# Altium PCB Waffling60-MX.PcbDoc (part 2 of 3)
Units mm, origin at the board's own origin, x right, y up, seen from the top; angles counter-clockwise.
Board outline 324.66 x 94.3 mm, 2 copper layers (Component Side, Bottom Layer), stack 1.571 mm thick; 187 components, 122 nets, 934 pads, 124 vias.
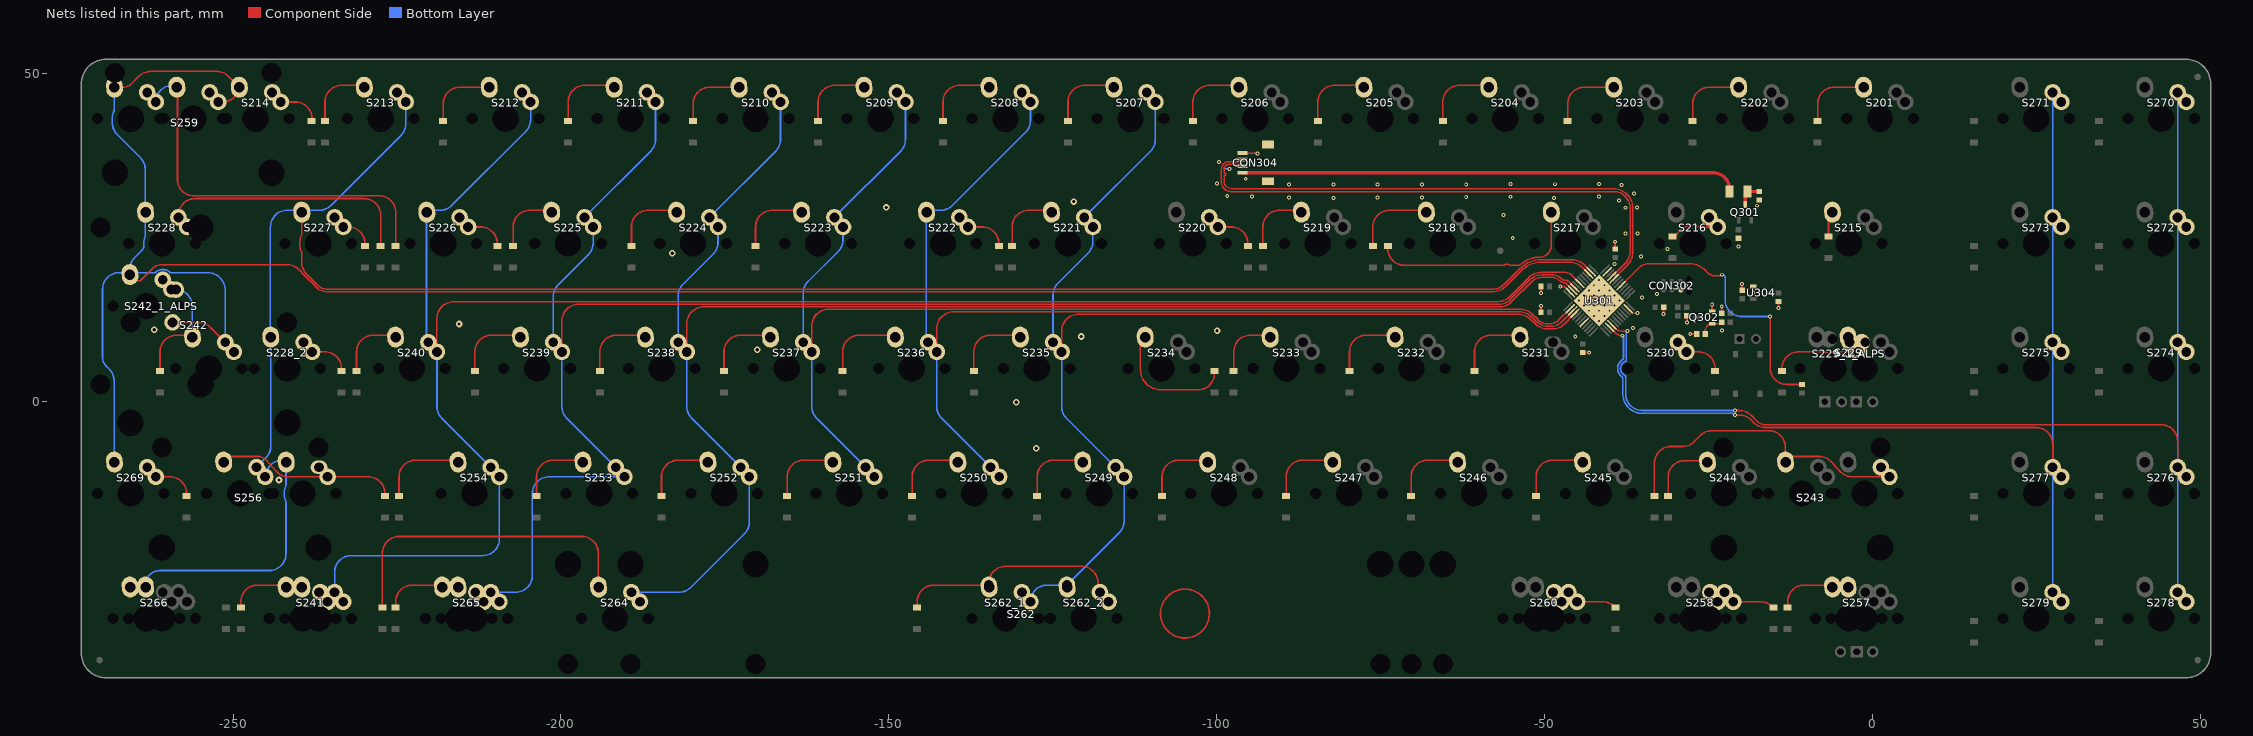
[diagram p2: the nets of this part, all layers, seen from the top]

## Via types
v1: diameter 0.6, hole 0.3, Component Side to Bottom Layer, tented both sides, 85 vias
v2: diameter 0.6, hole 0.3, Component Side to Bottom Layer, tented bottom, 25 vias
v3: diameter 1, hole 0.5, Component Side to Bottom Layer, tented both sides, 14 vias

## Nets (pads, with @x,y where several pads share a name; then routed paths per layer and width w, separated by ;. In a path a pad name is that pad's centre, name@x,y a point inside that pad or via, vN(x,y) a via of type N, cw(c..) or ccw(c..) an arc to the next point about the centre after c; other vN are vias at no path point) (continued)
col7: S207.2 S221.2 S235.2 S249.2 S262.1 S262_1.1 S262_2.2 U301.4 | length 188
  Component Side w0.203: S235.2@-123.666,7.62 -123.666,10.791 cw(c-121.126,10.791) -123.12,12.365 cw(c-121.126,10.791) -121.126,13.331 -54.002,13.331 ; U301.4@-45.58,13.34 -47.065,11.856 ; -54.002,13.331 cw(c-54.002,10.791) -52.206,12.587 ; -54.002,13.331 cw(c-54.002,10.791) -52.206,12.587 ; -52.206,12.587 -51.982,12.363 ; -51.982,12.363 ccw(c-51.837,12.506) -51.981,12.362 ; -51.982,12.363 ccw(c-51.837,12.506) -51.981,12.362 ; -51.981,12.362 -51.648,12.029 ccw(c-49.435,14.24) -51.644,12.025 ccw(c-49.435,14.24) -49.435,11.112 -48.861,11.112 ; -48.861,11.112 ccw(c-48.861,13.652) -47.065,11.856 ; -48.861,11.112 ccw(c-48.861,13.652) -47.065,11.856
  Component Side w0.254: S262.1@-123.182,-27.94 S262.1@-123.182,-27.63
  Bottom Layer w0.254: S262.1@-128.428,-30.48 cw(c-125.888,-30.48) -125.888,-27.94 -123.182,-27.94 S262.1@-123.182,-27.884 ; S235.2@-124.976,9.08 -124.976,16.293 ; S235.2@-123.666,7.62 -123.666,-0.703 ; S262.1@-122.872,-27.94 -114.885,-19.953 ; S221.2@-120.214,28.13 -110.123,38.221 ; S221.2@-118.904,26.67 -118.904,24.47 ; S249.2@-115.451,-9.97 -122.922,-2.499 ; S249.2@-114.141,-11.43 -114.141,-18.157 ; S207.2@-109.379,45.72 -109.379,40.017 ; -124.976,16.293 cw(c-122.436,16.293) -124.232,18.089 ; -124.976,16.293 cw(c-122.436,16.293) -124.232,18.089 ; -124.232,18.089 -119.648,22.674 ; -123.666,-0.703 ccw(c-121.126,-0.703) -122.922,-2.499 ; -123.666,-0.703 ccw(c-121.126,-0.703) -122.922,-2.499 ; -119.648,22.674 ccw(c-121.444,24.47) -118.904,24.47 ; -119.648,22.674 ccw(c-121.444,24.47) -118.904,24.47 ; -114.885,-19.953 ccw(c-116.681,-18.157) -114.141,-18.157 ; -114.885,-19.953 ccw(c-116.681,-18.157) -114.141,-18.157 ; -110.123,38.221 ccw(c-111.919,40.017) -109.379,40.017 ; -110.123,38.221 ccw(c-111.919,40.017) -109.379,40.017
col8: S208.2 S222.2 S236.2 S250.2 U301.3 | length 179
  Component Side w0.203: S236.2@-142.716,7.62 -142.716,11.175 cw(c-140.176,11.175) -141.859,13.077 ; U301.3@-45.934,13.694 -47.389,12.239 cw(c-49.185,14.035) -49.185,11.495 -49.435,11.495 cw(c-49.435,14.24) -51.374,12.297 ; -141.859,13.077 cw(c-140.176,11.175) -140.176,13.715 ; -141.859,13.077 cw(c-140.176,11.175) -140.176,13.715 ; -140.176,13.715 -53.844,13.715 ; -53.844,13.715 cw(c-53.844,11.175) -52.048,12.971 ; -53.844,13.715 cw(c-53.844,11.175) -52.048,12.971 ; -52.048,12.971 -51.71,12.633 -51.378,12.301 ; -51.378,12.301 ccw(c-49.435,14.24) -51.374,12.297 ; -51.378,12.301 ccw(c-49.435,14.24) -51.374,12.297
  Bottom Layer w0.254: S236.2@-144.026,9.08 cw(c-143.356,9.75) -144.304,9.75 -144.304,29.21 -142.104,29.21 ; S236.2@-142.716,7.62 -142.716,-0.703 ; S250.2@-134.501,-9.97 -141.972,-2.499 ; S208.2@-128.429,45.72 -128.429,42.885 ; -142.716,-0.703 ccw(c-140.176,-0.703) -141.972,-2.499 ; -142.716,-0.703 ccw(c-140.176,-0.703) -141.972,-2.499 ; -142.104,29.21 ccw(c-142.104,31.75) -140.308,29.954 ; -142.104,29.21 ccw(c-142.104,31.75) -140.308,29.954 ; -140.308,29.954 -129.173,41.089 ; -129.173,41.089 ccw(c-130.969,42.885) -128.429,42.885 ; -129.173,41.089 ccw(c-130.969,42.885) -128.429,42.885
col9: S209.2 S223.2 S237.2 S251.2 U301.2 | length 204.4
  Component Side w0.203: S237.2@-161.766,7.62 -161.766,11.487 ; -51.105,12.57 -51.889,13.354 ccw(c-53.685,11.558) -53.685,14.098 -159.226,14.098 ; -51.104,12.569 ccw(c-49.435,14.24) -49.435,11.878 ccw(c-49.435,14.24) -47.766,12.569 ; -47.765,12.57 U301.2@-46.287,14.047 ; -161.766,11.487 cw(c-159.1,11.487) -160.517,13.745 ; -161.766,11.487 cw(c-159.1,11.487) -161.766,11.496 cw(c-159.1,11.487) -160.517,13.745 ; -161.766,11.487 -161.766,11.558 ; -161.766,11.558 cw(c-159.226,11.558) -160.517,13.745 ; -161.766,11.558 cw(c-159.226,11.558) -160.517,13.745 ; -160.517,13.745 cw(c-159.226,11.558) -159.226,14.098 ; -160.517,13.745 cw(c-159.1,11.487) -159.64,14.098 ccw(c-159.1,11.487) -160.517,13.745 ; -160.517,13.745 cw(c-159.226,11.558) -159.226,14.098
  Bottom Layer w0.254: S237.2@-163.076,9.08 -163.076,16.547 ; S237.2@-161.766,7.62 -161.766,-0.703 ; S223.2@-158.314,28.13 -148.223,38.221 ; S223.2@-157.004,26.67 -157.004,24.724 ; S251.2@-153.551,-9.97 -161.022,-2.499 ; S209.2@-147.479,45.72 -147.479,40.017 ; -163.076,16.547 cw(c-160.536,16.547) -162.332,18.343 ; -163.076,16.547 cw(c-160.536,16.547) -162.332,18.343 ; -162.332,18.343 -157.748,22.928 ; -161.766,-0.703 ccw(c-159.226,-0.703) -161.022,-2.499 ; -161.766,-0.703 ccw(c-159.226,-0.703) -161.022,-2.499 ; -157.748,22.928 ccw(c-159.544,24.724) -157.004,24.724 ; -157.748,22.928 ccw(c-159.544,24.724) -157.004,24.724 ; -148.223,38.221 ccw(c-150.019,40.017) -147.479,40.017 ; -148.223,38.221 ccw(c-150.019,40.017) -147.479,40.017
col10: S210.2 S224.2 S238.2 S252.2 S264.2 U301.46 | length 250.5
  Component Side w0.203: S238.2@-180.816,7.62 -180.816,11.941 cw(c-178.276,11.941) -178.276,14.481 -56.9,14.481 ; -51.927,18.402 -55.104,15.225 ; U301.46@-45.934,17.194 -46.734,17.995 ; -56.9,14.481 ccw(c-56.9,17.021) -55.104,15.225 ; -56.9,14.481 ccw(c-56.9,17.021) -55.104,15.225 ; -50.572,18.964 ccw(c-50.572,17.047) -51.926,18.403 cw(c-50.572,17.047) -50.572,18.964 ; -50.572,18.964 -48.789,18.964 ; -48.789,18.964 cw(c-48.789,17.632) -47.848,18.574 ; -48.789,18.964 cw(c-48.789,17.632) -47.848,18.574 ; -47.848,18.574 cw(c-48.789,17.632) -47.844,18.57 ccw(c-46.908,19.512) -47.591,18.373 cw(c-47.696,18.199) -47.578,18.364 ccw(c-47.016,19.148) -47.256,18.214 ; -47.256,18.214 cw(c-47.307,18.017) -47.191,18.184 ; -47.256,18.214 cw(c-47.307,18.017) -47.191,18.184 ; -47.191,18.184 cw(c-47.191,17.538) -46.735,17.995 ; -47.191,18.184 cw(c-47.191,17.538) -46.735,17.995
  Bottom Layer w0.254: S264.2@-189.27,-29.02 -181.982,-29.02 ccw(c-181.982,-26.48) -180.186,-28.276 -172.035,-20.125 ; S238.2@-182.126,9.08 -182.126,16.166 ; S238.2@-180.816,7.62 -180.816,-0.702 ; S224.2@-177.364,28.13 -167.273,38.221 ; S224.2@-176.054,26.67 -176.054,24.343 ; S252.2@-172.601,-9.97 -180.072,-2.498 ; S252.2@-171.291,-11.43 -171.291,-18.329 ; S210.2@-166.529,45.72 -166.529,40.017 ; -182.126,16.166 cw(c-179.586,16.166) -181.382,17.962 ; -182.126,16.166 cw(c-179.586,16.166) -181.382,17.962 ; -181.382,17.962 -176.798,22.547 ; -180.816,-0.702 ccw(c-178.276,-0.702) -180.072,-2.498 ; -180.816,-0.702 ccw(c-178.276,-0.702) -180.072,-2.498 ; -176.798,22.547 ccw(c-178.594,24.343) -176.054,24.343 ; -176.798,22.547 ccw(c-178.594,24.343) -176.054,24.343 ; -172.035,-20.125 ccw(c-173.831,-18.329) -171.291,-18.329 ; -172.035,-20.125 ccw(c-173.831,-18.329) -171.291,-18.329 ; -167.273,38.221 ccw(c-169.069,40.017) -166.529,40.017 ; -167.273,38.221 ccw(c-169.069,40.017) -166.529,40.017
col11: S211.2 S225.2 S239.2 S253.2 S265.1 U301.45 | length 277.7
  Component Side w0.203: S239.2@-199.866,7.62 -199.866,12.324 cw(c-197.326,12.324) -199.566,13.523 ; U301.45@-45.58,17.548 -46.381,18.349 ; -199.566,13.523 cw(c-197.326,12.324) -197.326,14.864 ; -199.566,13.523 cw(c-197.326,12.324) -197.326,14.864 ; -197.326,14.864 -177.064,14.864 -59.081,14.864 -57.059,14.864 ; -57.059,14.864 ccw(c-57.059,17.404) -55.263,15.608 ; -57.059,14.864 ccw(c-57.059,17.404) -55.263,15.608 ; -55.263,15.608 -52.199,18.672 cw(c-50.572,17.047) -52.196,18.675 ; -52.196,18.675 cw(c-50.572,17.047) -50.572,19.347 ; -52.196,18.675 cw(c-50.572,17.047) -50.572,19.347 ; -50.572,19.347 -48.789,19.347 ; -48.789,19.347 cw(c-48.789,17.632) -47.578,18.846 ; -48.789,19.347 cw(c-48.789,17.632) -47.578,18.846 ; -47.578,18.846 cw(c-48.789,17.632) -47.576,18.844 ccw(c-46.908,19.512) -47.382,18.695 cw(c-47.485,18.519) -47.364,18.682 ccw(c-47.016,19.148) -47.016,18.567 ccw(c-47.016,19.148) -46.979,18.568 cw(c-46.967,18.365) -46.957,18.568 ; -46.957,18.568 ccw(c-46.908,19.512) -46.908,18.567 ; -46.957,18.568 ccw(c-46.908,19.512) -46.908,18.567 ; -46.908,18.567 cw(c-46.908,17.823) -46.382,18.349 ; -46.908,18.567 cw(c-46.908,17.823) -46.382,18.349
  Bottom Layer w0.254: S265.1@-210.701,-29.02 -206.909,-29.02 ccw(c-206.909,-26.48) -204.369,-26.48 -204.369,-13.97 cw(c-201.829,-13.97) -201.829,-11.43 S253.2@-190.341,-11.43 ; S239.2@-201.176,9.08 -201.176,16.039 ; S239.2@-199.866,7.62 -199.866,-0.703 ; S225.2@-196.414,28.13 -186.323,38.221 ; S225.2@-195.104,26.67 -195.104,24.216 ; S253.2@-191.651,-9.97 -199.122,-2.499 ; S211.2@-185.579,45.72 -185.579,40.017 ; -201.176,16.039 cw(c-198.636,16.039) -200.432,17.835 ; -201.176,16.039 cw(c-198.636,16.039) -200.432,17.835 ; -200.432,17.835 -195.848,22.42 ; -199.866,-0.703 ccw(c-197.326,-0.703) -199.122,-2.499 ; -199.866,-0.703 ccw(c-197.326,-0.703) -199.122,-2.499 ; -195.848,22.42 ccw(c-197.644,24.216) -195.104,24.216 ; -195.848,22.42 ccw(c-197.644,24.216) -195.104,24.216 ; -186.323,38.221 ccw(c-188.119,40.017) -185.579,40.017 ; -186.323,38.221 ccw(c-188.119,40.017) -185.579,40.017
col12: S212.2 S226.2 S240.2 S241.1 S254.2 U301.43 | length 301.1
  Component Side w0.203: S240.2@-218.916,7.62 -218.916,12.707 cw(c-216.376,12.707) -218.242,14.431 ; U301.43@-44.873,18.255 -45.989,19.371 ccw(c-46.857,18.503) -46.857,19.73 -50.572,19.73 ccw(c-50.572,17.047) -52.466,18.947 ; -218.242,14.431 cw(c-216.376,12.707) -216.376,15.247 ; -218.242,14.431 cw(c-216.376,12.707) -216.376,15.247 ; -216.376,15.247 -177.826,15.247 -59.335,15.247 -57.377,15.247 ccw(c-57.377,18.171) -55.311,16.102 ccw(c-57.377,18.171) -55.308,16.105 -52.472,18.942 ; -52.472,18.942 cw(c-50.572,17.047) -52.466,18.947 ; -52.472,18.942 cw(c-50.572,17.047) -52.466,18.947
  Bottom Layer w0.203: -230.663,-23.439 -211.931,-23.439 ccw(c-211.931,-20.899) -209.391,-20.899 S254.2@-209.391,-11.43
  Bottom Layer w0.254: S241.1@-234.513,-29.02 -234.513,-25.979 ; -230.663,-23.439 -231.973,-23.439 ; S240.2@-220.226,9.08 cw(c-219.556,9.75) -220.504,9.75 -220.504,29.21 -218.431,29.21 ; S240.2@-218.916,7.62 -218.916,-0.703 ; S254.2@-210.701,-9.97 -218.172,-2.499 ; S212.2@-204.629,45.72 -204.629,43.012 ; -234.513,-25.979 cw(c-231.973,-25.979) -231.973,-23.439 ; -234.513,-25.979 cw(c-231.973,-25.979) -231.973,-23.439 ; -218.916,-0.703 ccw(c-216.376,-0.703) -218.172,-2.499 ; -218.916,-0.703 ccw(c-216.376,-0.703) -218.172,-2.499 ; -218.431,29.21 ccw(c-218.431,31.75) -216.635,29.954 ; -218.431,29.21 ccw(c-218.431,31.75) -216.635,29.954 ; -216.635,29.954 -205.373,41.216 ; -205.373,41.216 ccw(c-207.169,43.012) -204.629,43.012 ; -205.373,41.216 ccw(c-207.169,43.012) -204.629,43.012
col13: S213.2 S227.2 S228_2.2 S256.2 S266.2 U301.38 | length 340.6
  Component Side w0.203: S227.2@-239.554,29.21 -239.554,25.439 ; -238.209,18.919 -237.765,18.475 ; U301.38@-43.105,20.022 -43.985,20.902 ; -239.573,25.353 ccw(c-239.757,25.44) -239.554,25.439 ; -239.573,25.353 ccw(c-239.757,25.44) -239.554,25.439 ; -239.573,25.353 ccw(c-237.014,24.13) -239.788,24.721 ccw(c-237.014,24.13) -239.788,23.539 ccw(c-237.014,24.13) -239.568,22.895 cw(c-239.751,22.808) -239.548,22.809 -239.548,21.31 ; -239.548,21.31 ccw(c-237.008,21.31) -238.804,19.514 ; -239.548,21.31 ccw(c-237.008,21.31) -238.804,19.514 ; -238.804,19.514 -238.434,19.144 -238.211,18.921 -237.765,18.475 ; -237.765,18.475 cw(c-238.036,18.204) -237.764,18.474 ; -237.765,18.475 cw(c-238.036,18.204) -237.764,18.474 ; -237.764,18.474 -237.173,17.883 -236.976,17.686 ; -236.976,17.686 ccw(c-235.719,18.937) -235.719,17.163 ; -236.976,17.686 ccw(c-235.719,18.937) -235.719,17.163 ; -235.719,17.163 -58.011,17.163 ; -58.011,17.163 ccw(c-58.011,19.703) -56.215,17.907 ; -58.011,17.163 ccw(c-58.011,19.703) -56.215,17.907 ; -56.215,17.907 -53.83,20.292 cw(c-50.572,17.047) -53.817,20.306 cw(c-50.572,17.047) -52.61,21.17 ccw(c-52.701,21.351) -52.603,21.174 ; -52.603,21.174 cw(c-50.796,17.956) -50.796,21.646 ; -52.603,21.174 cw(c-50.796,17.956) -50.796,21.646 ; -50.796,21.646 -45.781,21.646 ; -45.781,21.646 cw(c-45.781,19.106) -43.985,20.902 ; -45.781,21.646 cw(c-45.781,19.106) -43.985,20.902
  Component Side w0.254: S227.2@-239.554,29.21 cw(c-239.554,28.823) -239.167,28.823 ccw(c-239.554,28.823) S227.2@-239.554,29.21
  Bottom Layer w0.203: S256.2@-245.109,-11.43 -245.109,-9.97 ; S228_2.2@-244.291,9.87 -244.291,26.67 cw(c-241.751,26.67) -241.751,29.21 S227.2@-239.554,29.21
  Bottom Layer w0.254: S256.2@-246.419,-9.97 -244.995,-8.546 ccw(c-246.791,-6.75) -244.251,-6.75 S228_2.2@-244.251,9.87 ; S256.2@-245.009,-11.43 cw(c-242.469,-11.43) -242.469,-8.89 -241.934,-8.89 -241.934,-12.673 cw(c-242.188,-12.674) -241.957,-12.781 ccw(c-239.394,-13.97) -241.957,-15.159 cw(c-242.188,-15.266) -241.934,-15.267 -241.934,-23.185 cw(c-244.474,-23.185) -244.474,-25.725 -261.151,-25.725 ; S227.2@-239.554,29.21 -236.846,29.21 ; S213.2@-223.679,45.72 -223.679,42.377 ; -261.151,-25.725 ccw(c-261.151,-27.94) -263.366,-27.94 cw(c-261.151,-27.94) -261.151,-25.725 ; -236.846,29.21 ccw(c-236.846,31.75) -235.05,29.954 ; -236.846,29.21 ccw(c-236.846,31.75) -235.05,29.954 ; -235.05,29.954 -224.423,40.581 ; -224.423,40.581 ccw(c-226.219,42.377) -223.679,42.377 ; -224.423,40.581 ccw(c-226.219,42.377) -223.679,42.377
col14: S214.2 S228.2 S242.2 S242_1_ALPS.1 S259.2 S269.2 U301.39 | length 372.8
  Component Side w0.203: S242.2@-265.719,19.4 S242.2@-265.127,18.808 ; U301.39@-43.459,19.669 -44.309,20.519 ; S242.2@-265.127,18.808 ccw(c-264.313,19.623) -264.313,18.471 ; S242.2@-265.127,18.808 ccw(c-264.313,19.623) -264.313,18.471 ; -264.313,18.471 ccw(c-264.313,18.938) -263.982,18.608 ; -264.313,18.471 ccw(c-264.313,18.938) -263.982,18.608 ; -263.982,18.608 -262.521,20.069 ; -262.521,20.069 ccw(c-262.666,20.212) -262.51,20.082 ; -262.521,20.069 ccw(c-262.666,20.212) -262.51,20.082 ; -262.51,20.082 cw(c-260.719,18.61) -260.654,20.927 ccw(c-260.65,21.13) -260.645,20.927 ; -260.645,20.927 cw(c-260.59,19.233) -260.59,20.928 ; -260.645,20.927 cw(c-260.59,19.233) -260.59,20.928 ; -260.59,20.928 -241.812,20.928 ; -241.812,20.928 cw(c-241.812,18.388) -240.016,20.184 ; -241.812,20.928 cw(c-241.812,18.388) -240.016,20.184 ; -240.016,20.184 -239.004,19.172 -238.483,18.651 cw(c-238.752,18.378) -238.481,18.649 -238.036,18.204 ccw(c-237.891,18.347) -238.035,18.203 -237.246,17.414 ; -237.246,17.414 ccw(c-235.719,18.937) -235.719,16.78 ; -237.246,17.414 ccw(c-235.719,18.937) -235.719,16.78 ; -235.719,16.78 -58.011,16.78 ; -58.011,16.78 ccw(c-58.011,19.703) -55.946,17.635 ; -58.011,16.78 ccw(c-58.011,19.703) -55.946,17.635 ; -55.946,17.635 ccw(c-58.011,19.703) -55.943,17.638 -53.559,20.022 cw(c-50.572,17.047) -53.547,20.034 cw(c-50.572,17.047) -52.431,20.83 ccw(c-52.522,21.012) -52.423,20.835 cw(c-50.796,17.956) -50.796,21.263 -46.105,21.263 ; -46.105,21.263 cw(c-46.105,18.723) -44.309,20.519 ; -46.105,21.263 cw(c-46.105,18.723) -44.309,20.519
  Component Side w0.254: S259.2@-268.089,47.97 -266.712,47.97 ccw(c-266.712,49.634) -265.535,48.457 -264.353,49.64 cw(c-262.557,47.844) -262.557,50.384 -252.505,50.384 cw(c-252.505,47.844) -250.709,49.64 S214.2@-249.09,48.021 ; S242_1_ALPS.1@-259.219,12.11 -255.271,12.11 cw(c-255.271,9.57) -253.475,11.366 S242.2@-251.189,9.08 ; S259.2@-253.564,47.942 cw(c-254.794,45.72) S259.2@-252.254,45.72 -251.619,45.72 ccw(c-251.619,48.26) S214.2@-249.09,48.021 ; S214.2@-249.039,47.97 S214.2@-249.09,48.021
  Bottom Layer w0.254: S269.2@-268.129,-8.89 -268.129,3.201 ccw(c-270.669,3.201) -268.873,4.997 -269.393,5.517 cw(c-268.166,6.743) -269.901,6.743 -269.901,17.15 ; S259.2@-268.129,48.26 -268.129,44.477 cw(c-268.383,44.476) -268.152,44.369 ; S242.2@-249.879,7.62 -249.879,7.77 S242.2@-251.189,9.08 -251.189,17.031 ccw(c-253.848,17.031) -253.848,19.69 -259.451,19.69 cw(c-259.451,19.98) -259.624,19.748 cw(c-259.472,19.951) -259.644,19.764 ; -269.901,17.15 cw(c-267.361,17.15) -267.361,19.69 ; -269.901,17.15 cw(c-267.361,17.15) -267.361,19.69 ; -268.414,43.234 cw(c-265.589,43.18) -268.152,44.369 ; -268.414,43.234 cw(c-265.589,43.18) -268.152,44.369 ; -268.414,43.234 -268.414,42.547 ccw(c-265.874,42.547) -267.67,40.751 -264.11,37.191 cw(c-265.906,35.395) -263.366,35.395 -263.366,25.342 cw(c-263.62,25.343) -263.387,25.243 ccw(c-260.826,24.13) -263.588,23.721 cw(c-263.839,23.684) -263.609,23.576 cw(c-265.906,24.661) -264.11,22.865 -265.015,21.96 ; -267.361,19.69 S242.2@-265.759,19.69 ; S242.2@-265.759,19.69 S242.2@-265.759,20.164 ; S242.2@-265.759,19.69 -261.972,19.69 ccw(c-261.973,19.944) -261.799,19.758 cw(c-260.719,18.61) -259.656,19.775 ; S242.2@-265.759,20.164 cw(c-263.219,20.164) -265.015,21.96 ; S242.2@-265.759,20.164 cw(c-263.219,20.164) -265.015,21.96 ; -259.656,19.775 ccw(c-260.719,18.61) -260.758,20.187 cw(c-260.719,18.61) -259.656,19.775 ; -259.656,19.775 cw(c-260.719,18.61) -259.644,19.764 ; -259.656,19.775 cw(c-260.719,18.61) -259.644,19.764
col15: S270.2 S272.2 S274.2 S276.2 S278.2 U301.16 | length 188.5
  Component Side w0.254: U301.16@-39.605,11.573 -39.201,11.168 ccw(c-38.236,12.133) -39.085,11.065 ccw(c-38.236,12.133) -38.236,10.769 -37.4,10.769 v1(-37.389,10.78) ; v1(-20.989,-1.32) -20.341,-1.32 ; S276.2@46.474,-9.97 46.474,-6.026 ccw(c43.934,-6.026) 43.934,-3.486 -16.186,-3.486 -16.35,-3.486 ; -20.341,-1.32 cw(c-20.341,-3.86) -18.545,-2.064 ; -20.341,-1.32 cw(c-20.341,-3.86) -18.545,-2.064 ; -18.545,-2.064 -17.689,-2.92 ; -17.689,-2.92 ccw(c-16.24,-1.471) -16.931,-3.4 ; -17.689,-2.92 ccw(c-16.24,-1.471) -16.931,-3.4 ; -16.931,-3.4 -16.929,-3.401 ; -16.929,-3.401 ccw(c-16.847,-3.16) -16.919,-3.404 ; -16.929,-3.401 ccw(c-16.847,-3.16) -16.919,-3.404 ; -16.919,-3.404 ccw(c-16.337,-1.38) -16.35,-3.486 ; -16.919,-3.404 ccw(c-16.337,-1.38) -16.35,-3.486
  Bottom Layer w0.203: S278.2@46.474,-29.02 S276.2@46.474,-9.97 S274.2@46.474,9.08 S272.2@46.474,28.13 S270.2@46.474,47.18
  Bottom Layer w0.254: v1(-37.389,10.78) ccw(c-37.389,10.586) -37.583,10.586 -37.583,6.355 cw(c-37.835,6.388) -37.738,6.153 ccw(c-37.306,5.08) -37.822,6.116 ccw(c-37.306,5.08) -37.863,4.066 -37.816,4.04 ; v1(-20.989,-1.32) -35.144,-1.32 ; -37.816,4.04 cw(c-37.938,3.817) -37.684,3.819 ; -37.816,4.04 cw(c-37.938,3.817) -37.684,3.819 ; -37.684,1.22 ccw(c-35.144,1.22) -35.144,-1.32 ; -37.684,1.22 ccw(c-35.144,1.22) -35.144,-1.32 ; -37.684,1.22 -37.684,3.818
col16: S271.2 S273.2 S275.2 S277.2 S279.2 U301.15 | length 170.4
  Component Side w0.254: U301.15@-39.959,11.219 -39.265,10.525 ; v1(-20.989,-2.02) -20.341,-2.02 ; S277.2@27.424,-9.97 27.424,-6.46 ; -39.265,10.525 ccw(c-38.19,11.601) v1(-38.19,10.08) cw(c-38.19,11.601) -39.265,10.525 ; -20.341,-2.02 cw(c-20.341,-4.56) -18.545,-2.764 ; -20.341,-2.02 cw(c-20.341,-4.56) -18.545,-2.764 ; -18.545,-2.764 -18.133,-3.176 ; -18.133,-3.176 ccw(c-16.337,-1.38) -16.337,-3.92 ; -18.133,-3.176 ccw(c-16.337,-1.38) -16.337,-3.92 ; -16.337,-3.92 24.884,-3.92 ; 24.884,-3.92 cw(c24.884,-6.46) 27.424,-6.46 ; 24.884,-3.92 cw(c24.884,-6.46) 27.424,-6.46
  Bottom Layer w0.203: S279.2@27.424,-29.02 S277.2@27.424,-9.97 S275.2@27.424,9.08 S273.2@27.424,28.13 S271.2@27.424,47.18
  Bottom Layer w0.254: v1(-20.989,-2.02) ccw(c-21.631,-2.662) -21.072,-1.947 ccw(c-21.227,-2.147) -21.156,-1.903 cw(c-20.989,-1.32) -21.338,-1.817 ccw(c-21.483,-2.025) -21.425,-1.778 ; -38.285,3.826 ccw(c-37.306,5.08) -38.21,3.771 ; -38.285,3.826 ccw(c-37.306,5.08) -38.21,3.771 ; -38.286,3.826 cw(c-37.306,5.08) -38.285,6.334 cw(c-37.306,5.08) -38.137,6.437 ccw(c-38.271,6.653) -38.017,6.652 -38.017,9.908 v1@-38.052,9.967 ; -38.21,3.771 cw(c-38.356,3.562) -38.118,3.652 -38.118,1.22 ccw(c-35.144,1.22) -35.144,-1.754 -21.631,-1.754 ; v1@-38.052,9.967 ccw(c-38.271,9.839) v1(-38.19,10.08) cw(c-38.271,9.839) v1@-38.052,9.967 ; -21.631,-1.754 cw(c-21.631,-2.662) -21.425,-1.778 ; -21.631,-1.754 cw(c-21.631,-2.662) -21.425,-1.778
D_N: CON304.2 U301.32 | length 81.8
  Component Side w0.203: CON304.2@-96.097,35.925 ccw(c-96.394,35.925) -96.394,36.222 -98.108,36.222 ccw(c-98.108,35.428) -98.901,35.428 -98.901,34.878 -98.676,34.878 -98.676,34.548 -98.901,34.548 -98.901,34.116 -98.901,33.693 ccw(c-97.682,33.693) -97.682,32.474 -39.525,32.474 cw(c-39.525,29.531) -36.582,29.531 -36.582,22.915 cw(c-39.522,22.915) -37.444,20.836 -38.73,19.55 ccw(c-38.695,19.516) -38.744,19.516 cw(c-38.792,19.516) -38.758,19.482 -39.233,19.006 ccw(c-39.188,18.962) U301.32@-39.252,18.962
D_P: CON304.3 U301.33 | length 81.8
  Component Side w0.203: CON304.3@-96.097,36.925 cw(c-96.394,36.925) -96.394,36.628 -98.108,36.628 ccw(c-98.108,35.428) -99.308,35.428 -99.308,33.524 ccw(c-97.851,33.524) -97.851,32.067 -39.529,32.067 cw(c-39.529,29.527) -36.989,29.527 -36.989,22.916 cw(c-39.525,22.916) -37.732,21.123 -39.017,19.837 cw(c-39.051,19.871) -39.051,19.823 ccw(c-39.051,19.775) -39.085,19.809 -39.56,19.334 cw(c-39.605,19.379) U301.33@-39.605,19.315
GND: C301.1 C302.1 C303.1 C304.1 C305.1 C306.1 C307.1 C308.1 C310.2 CON302.5 CON304.4 CON304.5 Q302.2 R304.2 R305.2 R307.2 U301.8 U301.23 U301.35 U301.47 U304.1 | length 48.7
  Component Side w0.254: CON304.4@-96.097,37.925 -93.853,37.925 cw(c-93.853,37.896) v1(-93.824,37.896) ; v1(-47.651,17.582) -47.218,17.582 ; U301.47@-46.287,16.841 -46.895,17.448 ; U301.23@-37.13,14.047 -37.118,14.047 -36.588,13.518 v1(-35.84,13.518) ; CON302.5@-29.283,17.074 v1(-28.474,17.709) ; -47.218,17.582 cw(c-47.218,17.126) -46.895,17.448 ; -47.218,17.582 cw(c-47.218,17.126) -46.895,17.448
  Component Side w0.279: -101.15,-32.161 cw(c-104.868,-32.284) -101.151,-32.147
  Component Side w0.3: C305.1@-50.587,13.645 v1@-50.587,14.646 ; v1@-50.587,16.581 C304.1@-50.587,17.582 ; C302.1@-44.222,7.534 v1@-43.221,7.534 ; v1(-39.313,24.408) -39.291,24.385 -39.291,23.334 C303.1@-39.269,23.312 ; v1@-31.888,13.406 C301.1@-31.888,14.407 ; v1@-28.347,12.121 C310.2@-28.347,13.122 ; v1@-27.839,10.343 R305.2@-26.838,10.343 ; Q302.2@-24.48,13.833 v1@-24.48,14.834 ; R304.2@-23.028,13.518 v1@-23.028,14.519 ; C308.1@-19.908,17.004 v1@-19.908,18.005 ; v1@-18.202,16.585 U304.1@-18.202,17.586 ; v1@-14.377,14.28 C307.1@-14.377,15.281
  Bottom Layer w0.254: -98.892,35.627 ccw(c-98.787,35.627) -98.787,35.522 v1(-98.104,35.522) ; v2(-42.487,17.777) v2(-41.709,16.999) ; v2(-41.709,18.555) v2(-40.931,17.777) v2(-40.153,16.999) v2(-39.375,16.222) v2(-38.597,15.444)
  other v1: -43.229,7.534 -45.365,9.962 -27.831,10.343 -23.013,10.851 -36.589,11.28 -28.347,12.129 -31.888,13.414 -14.377,14.288 -23.028,14.511 -50.587,14.638 -24.48,14.826 -35.205,15.931 -32.919,16.439 -50.587,16.589 -18.202,16.593 -19.908,17.997 -39.396,21.011 -35.332,22.154 -31.268,23.297 -20.473,23.678 -54.89,24.948 -35.891,25.648 -37.694,25.684 -56.287,28.504 -37.673,29.593 -35.936,29.656 -17.679,29.901 -38.666,30.729 -82.194,31.081 -48.575,31.073 -88.98,31.188 -75.482,31.188 -68.734,31.188 -61.985,31.229 -55.236,31.27 -94.643,31.324 -41.738,31.311 -98.419,31.414 -36.373,31.746 -38.318,33.047 -88.98,33.123 -75.482,33.123 -68.734,33.123 -82.231,33.164 -61.985,33.164 -48.466,33.178 -55.236,33.205 -41.738,33.246 -99.991,33.301 -95.598,34.016 -99.696,36.545
  other v2: -41.709,12.333 -42.487,13.11 -40.931,13.11 -43.264,13.888 -41.709,13.888 -40.153,13.888 -44.042,14.666 -42.487,14.666 -40.931,14.666 -39.375,14.666 -44.82,15.444 -43.264,15.444 -41.709,15.444 -40.153,15.444 -44.042,16.222 -42.487,16.222 -40.931,16.222 -43.264,16.999
  other v3: -242.994,-11.915 -127.534,-7.056 -130.582,-0.071 -170.079,7.93 -120.676,9.962 -99.975,10.851 -262.027,10.978 -215.545,11.867 -183.033,22.662 -150.394,29.647 -121.819,30.536
LED: R306.1 U301.29 | length 45.7
  Component Side w0.254: U301.29@-38.191,17.901 -35.757,20.335 ; v1(-23.013,19.383) -23.106,19.383 -23.279,19.21 -23.994,19.21 cw(c-23.994,20.934) -25.211,19.713 cw(c-23.994,20.934) -25.213,19.715 -25.557,20.058 ; v1@-15.647,13.01 -15.647,5.196 ccw(c-13.107,5.196) -13.107,2.656 R306.1@-10.795,2.656 ; -35.757,20.335 cw(c-33.961,18.539) -33.961,21.079 ; -35.757,20.335 cw(c-33.961,18.539) -33.961,21.079 ; -33.961,21.079 -27.959,21.079 ; -27.959,21.079 cw(c-27.959,19.112) -27.782,21.071 ; -27.959,21.079 cw(c-27.959,19.112) -27.782,21.071 ; -27.782,21.071 ccw(c-27.76,21.324) -27.779,21.071 cw(c-28.019,17.599) -25.56,20.062 ; -25.56,20.062 cw(c-28.019,17.599) -25.557,20.058 ; -25.56,20.062 cw(c-28.019,17.599) -25.557,20.058
  Bottom Layer w0.254: v1(-23.013,19.383) cw(c-23.013,18.875) -22.505,18.875 -22.505,15.55 ccw(c-19.965,15.55) -22.471,15.135 ccw(c-19.965,15.55) -20.38,13.044 ccw(c-19.965,15.55) -19.965,13.01 v1(-15.639,13.01)
NetC306_2: C306.2 F301.1 Q301.3 | length 4
  Component Side w0.5: Q301.3@-19.457,30.085 -19.457,31.726 cw(c-19.123,31.726) F301.1@-19.123,32.06 -17.334,32.06 ccw(c-17.334,32.111) C306.2@-17.298,32.075
NetC309_2: C309.2 Q302.1 R305.1 | length 5.4
  Component Side w0.203: R305.1@-25.538,10.343 -25.538,10.875 ; C309.2@-23.028,12.121 cw(c-23.216,12.121) -23.216,11.933 Q302.1@-24.48,11.933 ; -25.538,10.875 cw(c-24.48,10.875) Q302.1@-24.48,11.933 ; -25.538,10.875 cw(c-24.48,10.875) Q302.1@-24.48,11.933
NetCON304_1: CON304.1 F301.2 | length 76.3
  Component Side w0.5: CON304.1@-96.097,34.925 -24.363,34.925 cw(c-24.363,32.385) -21.823,32.385 F301.2@-21.823,32.06 F301.2@-22.035,31.848
NetD201_1: D201.1 S201.1 | length 15.1
  Component Side w0.254: D201.1@-8.408,42.815 -8.408,45.43 ; S201.1@-1.389,47.97 -5.868,47.97 ; -8.408,45.43 cw(c-5.868,45.43) -5.868,47.97 ; -8.408,45.43 cw(c-5.868,45.43) -5.868,47.97
NetD202_1: D202.1 S202.2 | length 11.1
  Component Side w0.254: D202.1@-27.458,42.815 -27.458,45.43 cw(c-24.918,45.43) -24.918,47.97 S202.2@-20.439,47.97
NetD203_1: D203.1 S203.1 | length 11.1
  Component Side w0.254: D203.1@-46.508,42.815 -46.508,45.43 cw(c-43.968,45.43) -43.968,47.97 S203.1@-39.489,47.97
NetD204_1: D204.1 S204.1 | length 11.3
  Component Side w0.254: D204.1@-65.558,42.815 -65.558,45.72 cw(c-63.018,45.72) -63.018,48.26 S204.1@-58.579,48.26
NetD205_1: D205.1 S205.1 | length 11.3
  Component Side w0.254: D205.1@-84.608,42.815 -84.608,45.72 cw(c-82.068,45.72) -82.068,48.26 S205.1@-77.629,48.26
NetD206_1: D206.1 S206.1 | length 11.3
  Component Side w0.254: D206.1@-103.658,42.815 -103.658,45.72 cw(c-101.118,45.72) -101.118,48.26 S206.1@-96.679,48.26
NetD207_1: D207.1 S207.1 | length 11.3
  Component Side w0.254: D207.1@-122.708,42.815 -122.708,45.72 cw(c-120.168,45.72) -120.168,48.26 S207.1@-115.729,48.26
NetD208_1: D208.1 S208.1 | length 11.3
  Component Side w0.254: D208.1@-141.758,42.815 -141.758,45.72 cw(c-139.218,45.72) -139.218,48.26 S208.1@-134.779,48.26
NetD209_1: D209.1 S209.1 | length 11.3
  Component Side w0.254: D209.1@-160.808,42.815 -160.808,45.72 cw(c-158.268,45.72) -158.268,48.26 S209.1@-153.829,48.26
NetD210_1: D210.1 S210.1 | length 11.1
  Component Side w0.254: D210.1@-179.858,42.815 -179.858,45.43 cw(c-177.318,45.43) -177.318,47.97 S210.1@-172.839,47.97
NetD211_1: D211.1 S211.1 | length 11.3
  Component Side w0.254: D211.1@-198.908,42.815 -198.908,45.72 cw(c-196.368,45.72) -196.368,48.26 S211.1@-191.929,48.26
NetD212_1: D212.1 S212.1 | length 11.1
  Component Side w0.254: D212.1@-217.958,42.815 -217.958,45.43 cw(c-215.418,45.43) -215.418,47.97 S212.1@-210.939,47.97
NetD213_1: D213.1 S213.1 | length 10.3
  Component Side w0.254: D213.1@-235.992,42.815 -235.992,45.72 cw(c-233.452,45.72) -233.452,48.26 S213.1@-230.029,48.26
NetD214_1: D214.1 S214.1 | length 6.6
  Component Side w0.254: S214.1@-242.729,45.72 -240.498,45.72 cw(c-240.498,43.18) -237.958,43.18 D214.1@-237.958,42.815
NetD215_1: D215.1 S215.1 | length 4.3
  Component Side w0.254: D215.1@-6.757,25.186 -6.757,28.644 cw(c-6.191,28.645) S215.1@-6.191,29.21
NetD216_1: D216.1 S216.1 | length 9.9
  Component Side w0.254: D216.1@-30.506,25.186 -30.023,25.285 D216.1@-30.014,25.285 ; -27.458,26.916 ccw(c-27.464,24.13) -27.469,26.916 ccw(c-27.464,24.13) -29.295,26.229 ; -27.458,26.916 cw(c-27.464,24.13) -26.365,26.69 ccw(c-26.266,26.924) -26.267,26.67 S216.1@-23.654,26.67 ; D216.1@-30.014,25.285 ccw(c-30.196,25.463) D216.1@-29.996,25.306 ; D216.1@-30.014,25.285 ccw(c-30.196,25.463) D216.1@-29.996,25.306 ; D216.1@-29.996,25.306 -29.979,25.328 ccw(c-30.207,25.44) D216.1@-29.978,25.33 ; D216.1@-29.978,25.33 cw(c-27.464,24.13) -29.296,26.229 ; D216.1@-29.978,25.33 cw(c-27.464,24.13) -29.296,26.229 ; -29.296,26.229 cw(c-27.464,24.13) -28.796,26.577 ccw(c-27.464,24.13) -29.296,26.229
NetD217_1: D217.1 S217.1 | length 33.3
  Component Side w0.254: D217.1@-73.94,23.765 -73.94,23.35 ccw(c-71.4,23.35) -71.4,20.81 -56.295,20.81 ccw(c-56.296,21.064) -56.144,20.861 cw(c-55.779,20.376) -55.413,20.86 ccw(c-55.261,21.064) -55.262,20.81 -53.969,20.81 ccw(c-53.97,21.064) -53.807,20.869 ; -53.807,20.869 cw(c-50.572,17.047) -52.901,21.48 -52.706,21.583 cw(c-50.796,17.956) -50.8,22.055 ccw(c-50.8,23.841) -49.014,23.841 S217.1@-49.014,28.92
NetD218_1: D218.1 S218.1 | length 12.5
  Component Side w0.254: D218.1@-76.226,23.765 -76.226,26.67 cw(c-73.686,26.67) -73.686,29.21 S218.1@-68.104,29.21
NetD219_1: D219.1 S219.1 | length 10.2
  Component Side w0.254: D219.1@-92.99,23.765 -92.99,26.67 cw(c-90.45,26.67) -90.45,29.21 S219.1@-87.154,29.21
NetD220_1: D220.1 S220.1 | length 6.4
  Component Side w0.254: S220.1@-99.854,26.67 -97.816,26.67 cw(c-97.816,24.13) -95.276,24.13 D220.1@-95.276,23.765
NetD221_1: D221.1 S221.1 | length 10.3
  Component Side w0.254: D221.1@-131.217,23.765 -131.217,26.67 cw(c-128.677,26.67) -128.677,29.21 S221.1@-125.254,29.21
NetD222_1: D222.1 S222.1 | length 6.5
  Component Side w0.254: S222.1@-137.954,26.67 -135.789,26.67 cw(c-135.789,24.13) -133.249,24.13 D222.1@-133.249,23.765
NetD223_1: D223.1 S223.1 | length 11.3
  Component Side w0.254: D223.1@-170.333,23.765 -170.333,26.67 cw(c-167.793,26.67) -167.793,29.21 S223.1@-163.354,29.21
NetD224_1: D224.1 S224.1 | length 11.2
  Component Side w0.254: D224.1@-189.256,23.765 -189.256,26.67 cw(c-186.716,26.67) -186.716,29.21 S224.1@-182.404,29.21
NetD225_1: D225.1 S225.1 | length 10.2
  Component Side w0.254: D225.1@-207.29,23.765 -207.29,26.67 cw(c-204.75,26.67) -204.75,29.21 S225.1@-201.454,29.21
NetD226_1: D226.1 S226.1 | length 6.3
  Component Side w0.254: S226.1@-214.154,26.67 -212.243,26.67 cw(c-212.243,24.13) -209.703,24.13 D226.1@-209.703,23.765
NetD227_1: D227.1 S227.1 | length 5
  Component Side w0.254: S227.1@-233.204,26.67 -232.436,26.67 cw(c-232.436,24.13) -229.896,24.13 D227.1@-229.896,23.916
NetD228_1: D228.1 S228.1 | length 38.5
  Component Side w0.254: S228.1@-258.326,28.451 cw(c-255.786,28.451) -255.786,30.991 -230.023,30.991 cw(c-230.023,28.451) -227.483,28.451 ; D228.1@-227.483,23.765 -227.483,28.451 ; -227.483,28.504 -227.483,28.451
NetD228_2_1: D228_2.1 S228_2.1 | length 6.3
  Component Side w0.203: S228_2.1@-237.941,7.62 -235.992,7.62 cw(c-235.992,5.08) -233.452,5.08 D228_2.1@-233.452,4.715
NetD229_1: D229.1 S229.2 S229_1_ALPS.1 | length 16.5
  Component Side w0.254: D229.1@-13.869,4.715 -13.869,5.08 cw(c-11.329,5.08) -11.329,7.62 -7.334,7.62 cw(c-7.335,7.366) -7.247,7.604 ccw(c-6.691,9.08) -6.136,7.604 cw(c-6.047,7.366) -6.048,7.62 S229.2@-2.222,7.62 -3.247,9.259 -3.668,9.934 S229.2@-3.81,10.16
NetD230_1: D230.1 S230.1 | length 6.2
  Component Side w0.254: S230.1@-28.416,7.62 -26.569,7.62 cw(c-26.569,5.08) -24.029,5.08 D230.1@-24.029,4.715
NetD231_1: D231.1 S231.1 | length 11.3
  Component Side w0.254: D231.1@-60.732,4.715 -60.732,7.62 cw(c-58.192,7.62) -58.192,10.16 S231.1@-53.816,10.16
NetD232_1: D232.1 S232.1 | length 11.3
  Component Side w0.254: D232.1@-79.782,4.715 -79.782,7.62 cw(c-77.242,7.62) -77.242,10.16 S232.1@-72.866,10.16
NetD233_1: D233.1 S233.1 | length 9.9
  Component Side w0.203: D233.1@-97.435,4.715 -97.435,7.62 cw(c-94.895,7.62) -94.895,10.16 S233.1@-91.916,10.16
NetD234_1: D234.1 S234.1 | length 20.5
  Component Side w0.203: S234.1@-110.966,10.16 ccw(c-110.966,9.468) -111.659,9.468 -111.659,4.934 ccw(c-108.553,4.934) -108.553,1.828 -102.896,1.828 ccw(c-102.896,4.368) -100.356,4.368 D234.1@-100.356,4.715
NetD235_1: D235.1 S235.1 | length 11.4
  Component Side w0.254: D235.1@-137.059,4.715 -137.059,7.62 cw(c-134.519,7.62) -134.519,10.16 S235.1@-130.016,10.16
NetD236_1: D236.1 S236.1 | length 16.8
  Component Side w0.254: D236.1@-157.059,4.28 D236.1@-157.059,4.715 -157.059,7.62 ; S236.1@-149.066,10.16 -154.519,10.16 ; -157.059,7.62 cw(c-154.519,7.62) -154.519,10.16 ; -157.059,7.62 cw(c-154.519,7.62) -154.519,10.16
NetD237_1: D237.1 S237.1 | length 11.4
  Component Side w0.254: D237.1@-175.159,4.715 -175.159,7.62 cw(c-172.619,7.62) -172.619,10.16 S237.1@-168.116,10.16
NetD238_1: D238.1 S238.1 | length 10.8
  Component Side w0.254: D238.1@-194.082,4.715 -194.082,7.62 cw(c-191.542,7.62) -191.542,10.16 S238.1@-187.62,10.16
NetD239_1: D239.1 S239.1 | length 11.3
  Component Side w0.254: D239.1@-213.132,4.715 -213.132,7.62 cw(c-210.592,7.62) -210.592,10.16 S239.1@-206.216,10.16
NetD240_1: D240.1 S240.1 | length 10.3
  Component Side w0.254: D240.1@-231.166,4.715 -231.166,7.62 cw(c-228.626,7.62) -228.626,10.16 S240.1@-225.266,10.16
NetD241_1: D241.1 S241.2 | length 9.2
  Component Side w0.254: D241.1@-248.819,-31.385 -248.819,-30.48 cw(c-246.279,-30.48) -246.279,-27.94 S241.2@-241.934,-27.94
NetD242_1: D242.1 S242.1 S242_1_ALPS.2 | length 22.3
  Component Side w0.254: D242.1@-261.138,4.715 -261.138,7.62 cw(c-258.598,7.62) -258.598,10.16 S242.1@-256.229,10.16
  Bottom Layer w0.254: S242.1@-259.409,17.15 S242_1_ALPS.2@-258.769,17.15 ; S242.1@-256.229,10.16 -256.229,14.61 ; S242_1_ALPS.2@-258.769,17.15 cw(c-258.769,14.61) -256.229,14.61 ; S242_1_ALPS.2@-258.769,17.15 cw(c-258.769,14.61) -256.229,14.61
NetD243_1: D243.1 S243.1 | length 63.5
  Component Side w0.254: D243.1@-33.3,-14.335 -33.3,-9.342 ; S243.1@-13.335,-8.89 -13.335,-6.929 ; S243.1@-13.295,-9.18 -12.441,-8.326 -8.154,-8.326 ; -6.069,-9.395 -6.418,-9.045 ; -6.068,-9.396 -6.057,-9.407 ; -3.064,-11.43 S243.1@2.54,-11.43 ; -33.3,-9.342 cw(c-30.76,-9.342) -30.76,-6.802 ; -33.3,-9.342 cw(c-30.76,-9.342) -30.76,-6.802 ; -30.76,-6.802 -29.018,-6.802 ccw(c-29.018,-4.262) -27.222,-6.058 -26.297,-5.133 ; -26.297,-5.133 cw(c-24.501,-6.929) -24.501,-4.389 ; -26.297,-5.133 cw(c-24.501,-6.929) -24.501,-4.389 ; -24.501,-4.389 -15.875,-4.389 ; -15.875,-4.389 cw(c-15.875,-6.929) -13.335,-6.929 ; -15.875,-4.389 cw(c-15.875,-6.929) -13.335,-6.929 ; -8.154,-8.326 cw(c-8.154,-10.779) -6.419,-9.045 ; -8.154,-8.326 cw(c-8.154,-10.779) -6.419,-9.045 ; -6.057,-9.407 ccw(c3.621,-1.98) -5.018,-10.594 ; -6.057,-9.407 ccw(c3.621,-1.98) -5.018,-10.594 ; -5.018,-10.594 -5.014,-10.597 ; -5.014,-10.597 ccw(c-3.903,-9.478) -4.867,-10.726 ; -5.014,-10.597 ccw(c-3.903,-9.478) -4.867,-10.726 ; -4.867,-10.726 cw(c-5.023,-10.927) -4.851,-10.74 -4.847,-10.743 ; -4.847,-10.743 ccw(c-3.065,-8.774) -3.065,-11.43 cw(c-3.065,-8.774) -4.847,-10.743
NetD244_1: D244.1 S244.2 | length 14.3
  Component Side w0.254: D244.1@-31.207,-14.335 -31.207,-11.501 ; S244.2@-25.172,-8.961 -28.667,-8.961 ; -31.207,-11.501 cw(c-28.667,-11.501) -28.667,-8.961 ; -31.207,-11.501 cw(c-28.667,-11.501) -28.667,-8.961
NetD245_1: D245.1 S245.1 | length 11.4
  Component Side w0.254: D245.1@-51.334,-14.335 -51.334,-11.43 cw(c-48.794,-11.43) -48.794,-8.89 S245.1@-44.291,-8.89
NetD246_1: D246.1 S246.1 | length 11.4
  Component Side w0.254: D246.1@-70.384,-14.335 -70.384,-11.43 cw(c-67.844,-11.43) -67.844,-8.89 S246.1@-63.341,-8.89
NetD247_1: D247.1 S247.1 | length 11.4
  Component Side w0.254: D247.1@-89.434,-14.335 -89.434,-11.43 cw(c-86.894,-11.43) -86.894,-8.89 S247.1@-82.391,-8.89
NetD248_1: D248.1 S248.1 | length 11.3
  Component Side w0.254: D248.1@-108.357,-14.335 -108.357,-11.43 cw(c-105.817,-11.43) -105.817,-8.89 S248.1@-101.441,-8.89
NetD249_1: D249.1 S249.1 | length 12.5
  Component Side w0.254: D249.1@-127.407,-14.335 -127.407,-11.43 cw(c-124.867,-11.43) -124.867,-8.89 S249.1@-120.491,-8.89
  Bottom Layer w0.254: S249.1@-120.491,-8.89 S249.1@-120.491,-7.691
NetD250_1: D250.1 S250.1 | length 11.3
  Component Side w0.254: D250.1@-146.457,-14.335 -146.457,-11.43 cw(c-143.917,-11.43) -143.917,-8.89 S250.1@-139.541,-8.89
NetD251_1: D251.1 S251.1 | length 11.3
  Component Side w0.254: D251.1@-165.507,-14.335 -165.507,-11.43 cw(c-162.967,-11.43) -162.967,-8.89 S251.1@-158.591,-8.89
NetD252_1: D252.1 S252.1 | length 11.4
  Component Side w0.254: D252.1@-184.684,-14.335 -184.684,-11.43 cw(c-182.144,-11.43) -182.144,-8.89 S252.1@-177.641,-8.89
NetD253_1: D253.1 S253.1 | length 11.4
  Component Side w0.254: D253.1@-203.734,-14.335 -203.734,-11.43 cw(c-201.194,-11.43) -201.194,-8.89 S253.1@-196.691,-8.89
NetD254_1: D254.1 S254.1 | length 13.3
  Component Side w0.254: D254.1@-224.689,-14.335 -224.689,-11.43 cw(c-222.149,-11.43) -222.149,-8.89 S254.1@-215.741,-8.89
NetD255_1: D255.1 S256.1 | length 33.7
  Component Side w0.254: S256.1@-251.419,-9.18 -250.565,-8.326 -246.279,-8.326 ; D255.1@-226.848,-14.335 -226.848,-13.97 ccw(c-229.388,-13.97) -229.388,-11.43 -235.484,-11.43 -241.652,-11.43 ; -246.279,-8.326 cw(c-246.279,-10.339) -244.868,-8.903 ; -246.279,-8.326 cw(c-246.279,-10.339) -244.868,-8.903 ; -244.868,-8.903 cw(c-245.046,-9.085) -244.846,-8.928 ; -244.868,-8.903 cw(c-245.046,-9.085) -244.846,-8.928 ; -244.846,-8.928 ccw(c-229.472,3.014) -243.263,-10.726 ; -244.846,-8.928 ccw(c-229.472,3.014) -243.263,-10.726 ; -243.263,-10.726 -243.26,-10.729 ; -243.26,-10.729 ccw(c-242.147,-9.611) -243.118,-10.854 ; -243.26,-10.729 ccw(c-242.147,-9.611) -243.118,-10.854 ; -243.118,-10.854 cw(c-243.275,-11.053) -243.103,-10.867 ; -243.103,-10.867 ccw(c-241.653,-9.281) -241.652,-11.43 ; -243.103,-10.867 ccw(c-241.653,-9.281) -241.652,-11.43
NetD256_1: D256.1 S269.1 | length 6.5
  Component Side w0.254: S269.1@-261.779,-11.43 -259.614,-11.43 cw(c-259.614,-13.97) -257.074,-13.97 D256.1@-257.074,-14.335
NetD257_1: D257.1 S257.2 | length 9.1
  Component Side w0.254: D257.1@-12.98,-31.385 -12.98,-30.48 cw(c-10.44,-30.48) -10.44,-27.94 S257.2@-6.191,-27.94
NetD258_1: D258.1 S258.1 | length 8.4
  Component Side w0.254: S258.1@-21.272,-30.48 -17.096,-30.48 ; D258.1@-15.139,-31.385 D258.1@-15.3,-31.224 ; -17.096,-30.48 cw(c-17.096,-33.02) D258.1@-15.3,-31.224 ; -17.096,-30.48 cw(c-17.096,-33.02) D258.1@-15.3,-31.224
NetD259_1: D259.1 S259.1 | length 64.2
  Component Side w0.254: D259.1@-225.197,23.765 -225.197,28.885 ; S259.1@-258.471,47.877 ccw(c-258.564,47.877) S259.1@-258.564,47.97 cw(c-258.564,47.877) S259.1@-258.471,47.877 ; S259.1@-258.471,47.877 -258.471,33.872 ccw(c-256.024,33.872) -256.024,31.425 -227.737,31.425 ; -227.737,31.425 cw(c-227.737,28.885) -225.197,28.885 ; -227.737,31.425 cw(c-227.737,28.885) -225.197,28.885
  Bottom Layer w0.254: S259.1@-261.779,45.72 cw(c-259.239,45.72) -259.239,48.26 S259.1@-258.604,48.26
NetD260_1: D260.1 S260.1 | length 6.1
  Component Side w0.254: S260.1@-45.084,-30.48 -41.178,-30.48 cw(c-41.178,-33.02) -39.382,-31.224 D260.1@-39.221,-31.385
NetD262_1: D262.1 S262.2 S262_1.2 S262_2.1 | length 46.6
  Component Side w0.254: D262.1@-145.695,-31.385 -145.695,-30.48 cw(c-143.155,-30.48) -143.155,-27.94 S262.2@-134.778,-27.94 S262.2@-134.778,-27.63 ; S262.2@-116.832,-30.48 S262.2@-116.832,-30.262 ; S262.2@-134.778,-27.63 cw(c-132.238,-27.63) -132.238,-25.09 ; S262.2@-134.778,-27.63 cw(c-132.238,-27.63) -132.238,-25.09 ; -132.238,-25.09 -120.642,-25.09 ; -120.642,-25.09 cw(c-120.642,-27.63) -118.102,-27.63 ; -120.642,-25.09 cw(c-120.642,-27.63) -118.102,-27.63 ; -118.102,-27.63 -118.102,-27.94 S262_2.1@-117.576,-28.466 ; S262_2.1@-117.576,-28.466 cw(c-119.372,-30.262) S262.2@-116.832,-30.262 ; S262_2.1@-117.576,-28.466 cw(c-119.372,-30.262) S262.2@-116.832,-30.262
  Bottom Layer w0.254: S262.2@-134.778,-27.94 S262.2@-134.778,-27.757
NetD264_1: D264.1 S264.1 | length 57
  Component Side w0.254: D264.1@-227.229,-31.385 -227.229,-23.058 ; S264.1@-194.31,-27.94 -194.31,-23.058 ; -227.229,-23.058 cw(c-224.689,-23.058) -224.689,-20.518 ; -227.229,-23.058 cw(c-224.689,-23.058) -224.689,-20.518 ; -224.689,-20.518 -196.85,-20.518 ; -196.85,-20.518 cw(c-196.85,-23.058) -194.31,-23.058 ; -196.85,-20.518 cw(c-196.85,-23.058) -194.31,-23.058
NetD265_1: D265.1 S265.2 | length 9.4
  Component Side w0.254: D265.1@-225.197,-31.385 -225.197,-30.48 cw(c-222.657,-30.48) -222.657,-27.94 S265.2@-218.122,-27.94